# Altium PCB Evaluation Board.PcbDoc (part 16 of 22)
Units mm, origin at the board's own origin, x right, y up, seen from the top; angles counter-clockwise.
Board outline 200 x 200 mm, 4 copper layers (Top Layer, GND, Power, Bottom Layer), stack 1.56 mm thick; 639 components, 758 nets, 3043 pads, 1306 vias.
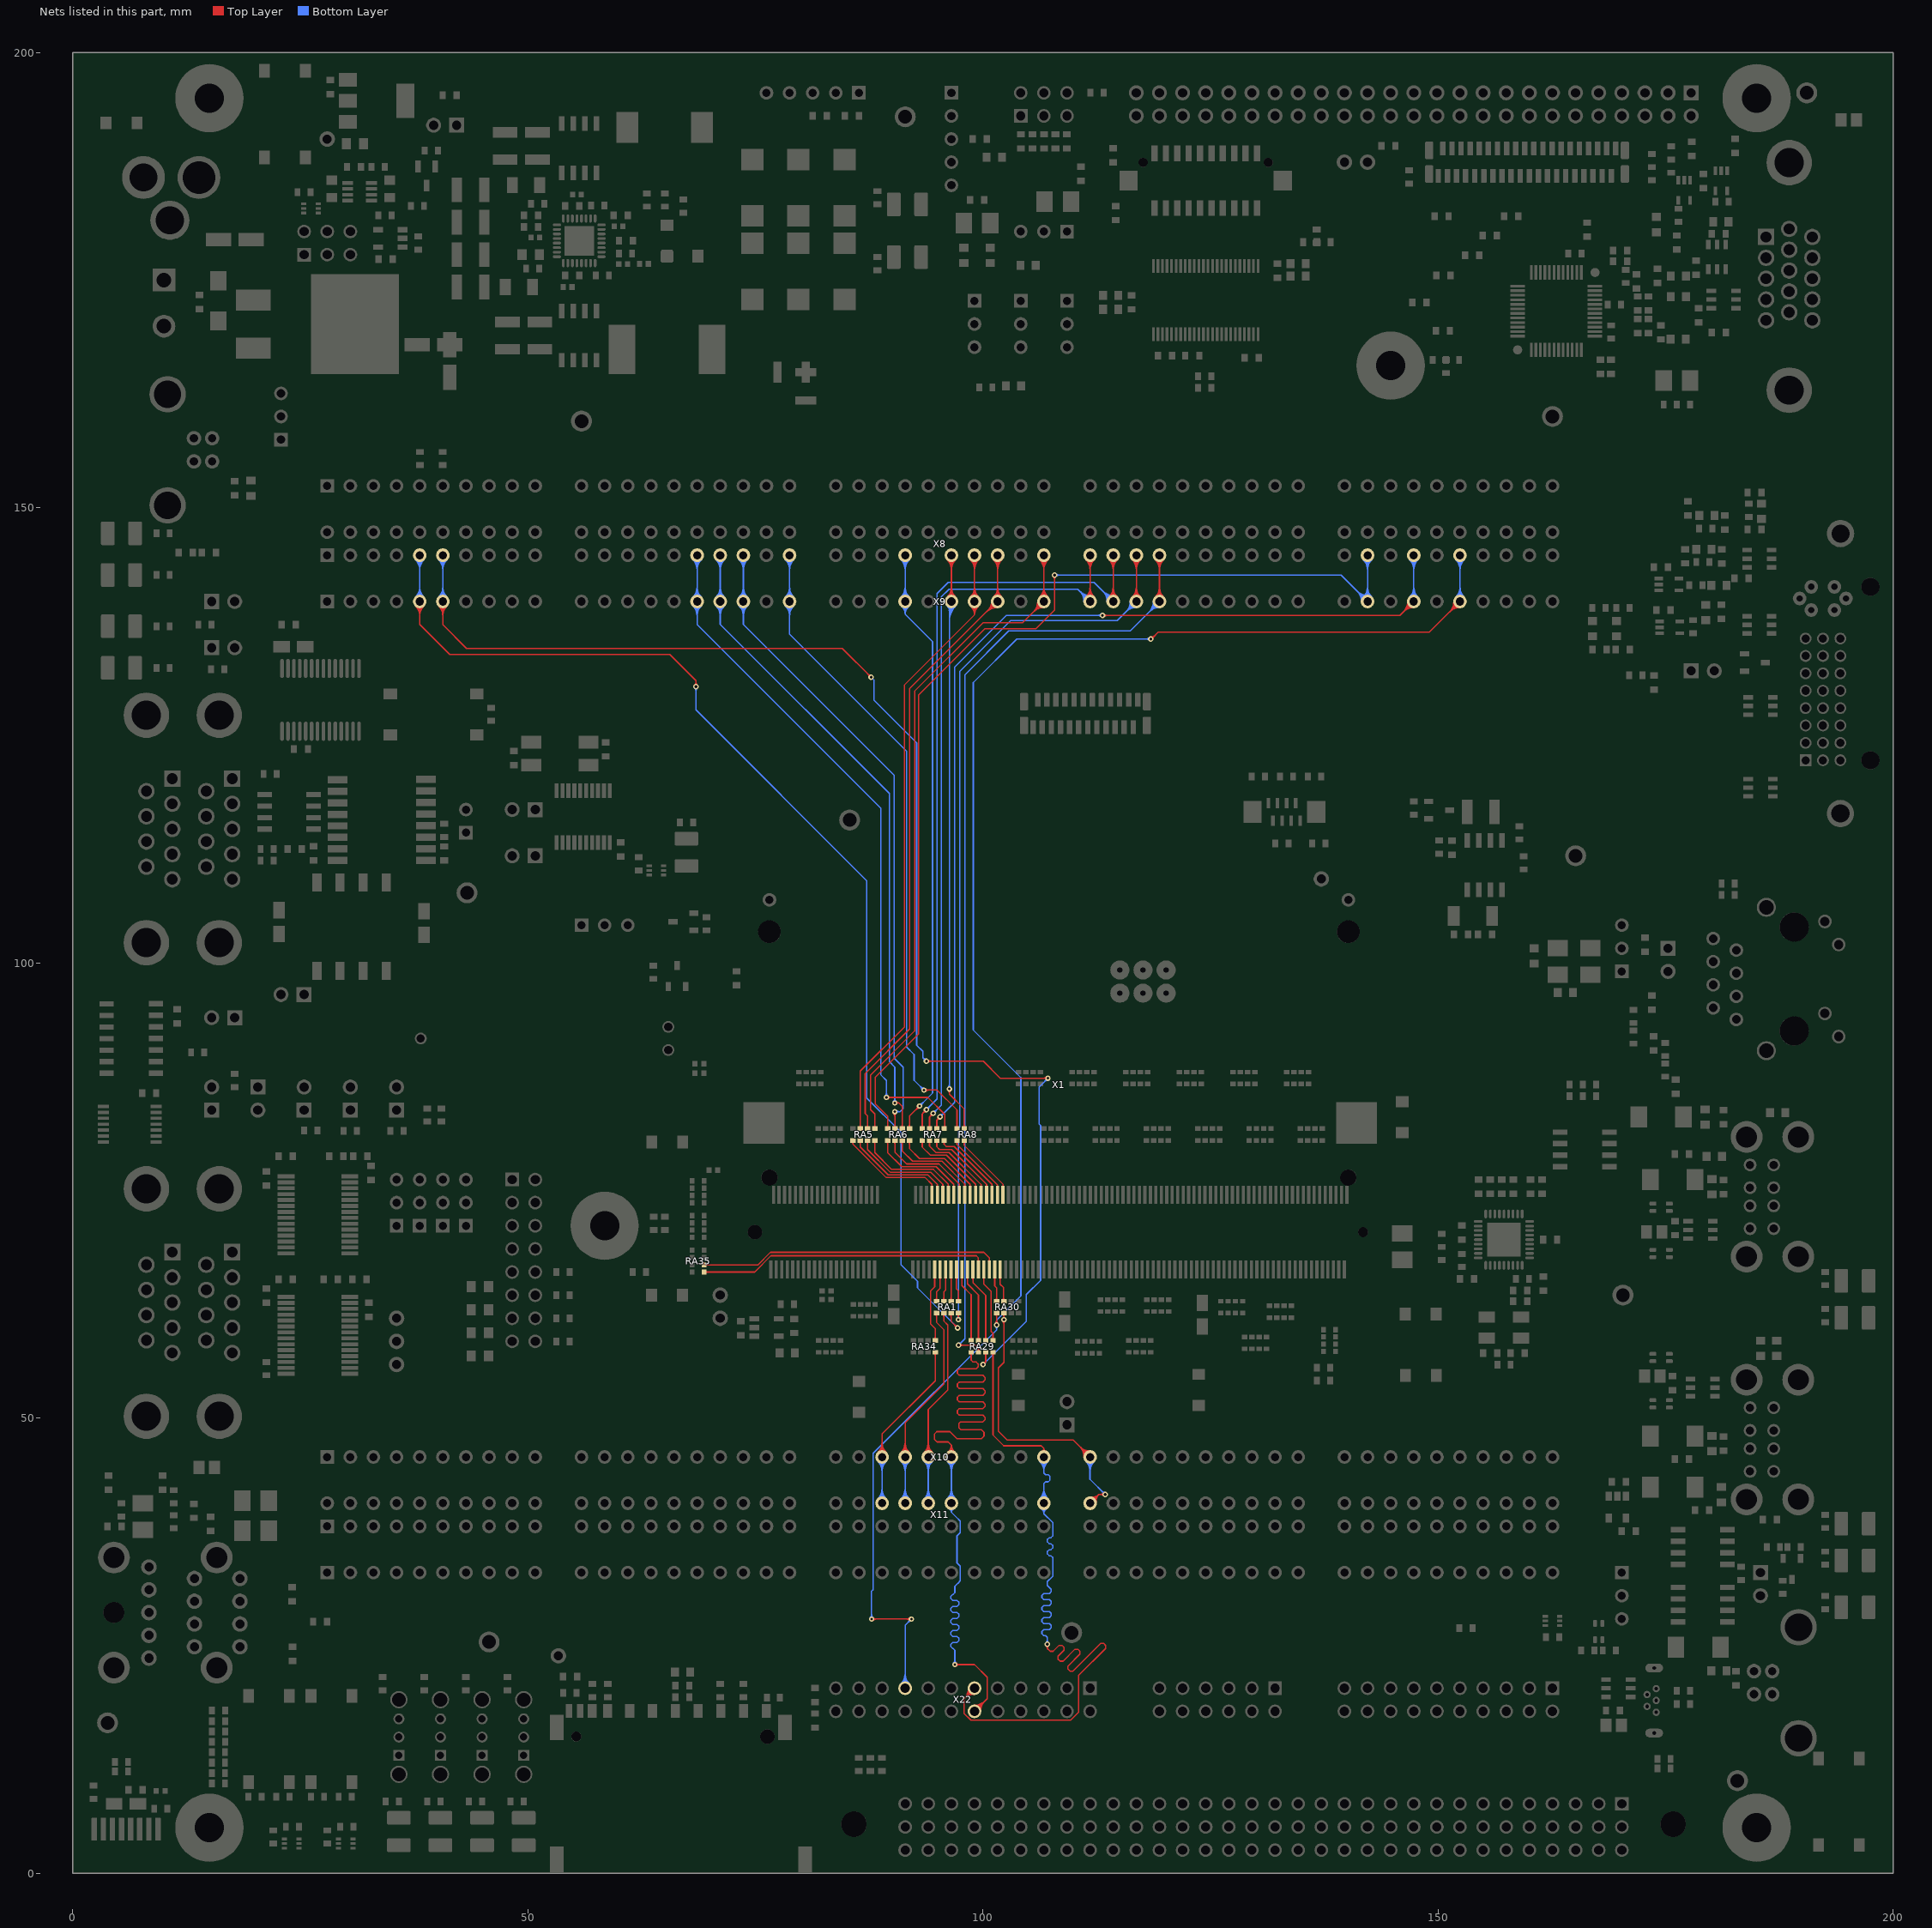
[diagram p18: the nets of this part, all layers, seen from the top]

## Via types
v1: diameter 0.6, hole 0.3, Top Layer to Bottom Layer, 1222 vias
v2: diameter 0.6, hole 0.3, Top Layer to Bottom Layer, tented both sides, 84 vias

## Nets (pads, with @x,y where several pads share a name; then routed paths per layer and width w, separated by ;. In a path a pad name is that pad's centre, name@x,y a point inside that pad or via, vN(x,y) a via of type N, cw(c..) or ccw(c..) an arc to the next point about the centre after c; other vN are vias at no path point) (continued)
SODIMM_48_S: RA5.1 X1.48 | length 13.1
  Top Layer w0.15: RA5.1@85.577,80.368 cw(c85.29,80.075) 85.7,80.075 cw(c86.109,80.075) RA5.1@85.822,80.368 ; RA5.1@85.7,80.493 85.7,80.075 89.364,76.411 93.642,76.411 94.382,75.671 X1.48@94.382,74.516 ; X1.48@94.311,75.412 ccw(c94.141,75.583) 94.382,75.583 ccw(c94.623,75.583) X1.48@94.453,75.412
SODIMM_49: RA34.5 X10.23 X11.B23 | length 37.6
  Top Layer w0.15: X10.23@88.423,46.197 ccw(c87.27,47.35) 88.9,47.35 ccw(c90.53,47.35) X10.23@89.377,46.197 ; X10.23@88.529,46.091 ccw(c87.633,46.987) 88.9,46.987 ccw(c90.167,46.987) X10.23@89.271,46.091 ; X10.23@88.635,45.985 ccw(c87.995,46.625) 88.9,46.625 ccw(c89.805,46.625) X10.23@89.165,45.985 ; X10.23@88.9,45.72 88.9,48.26 94.742,54.102 RA34.5@94.742,57.222 ; RA34.5@94.618,57.098 cw(c94.32,56.799) 94.742,56.799 cw(c95.164,56.799) RA34.5@94.866,57.098
  Bottom Layer w0.15: X11.B23@88.423,41.117 ccw(c87.27,42.27) 88.9,42.27 ccw(c90.53,42.27) X11.B23@89.377,41.117 ; X10.23@88.423,45.243 cw(c87.27,44.09) 88.9,44.09 cw(c90.53,44.09) X10.23@89.377,45.243 ; X11.B23@88.529,41.011 ccw(c87.633,41.907) 88.9,41.907 ccw(c90.167,41.907) X11.B23@89.271,41.011 ; X10.23@88.529,45.349 cw(c87.633,44.453) 88.9,44.453 cw(c90.167,44.453) X10.23@89.271,45.349 ; X11.B23@88.635,40.905 ccw(c87.995,41.545) 88.9,41.545 ccw(c89.805,41.545) X11.B23@89.165,40.905 ; X10.23@88.635,45.455 cw(c87.995,44.815) 88.9,44.815 cw(c89.805,44.815) X10.23@89.165,45.455 ; X11.B23@88.9,40.64 X10.23@88.9,45.72
SODIMM_49_S: RA34.1 X1.49 | length 9.2
  Top Layer w0.15: X1.49@94.611,65.421 cw(c94.441,65.25) 94.682,65.25 cw(c94.923,65.25) X1.49@94.753,65.421 ; RA34.1@94.618,58.645 ccw(c94.32,58.944) 94.742,58.944 ccw(c95.164,58.944) RA34.1@94.866,58.645 ; X1.49@94.682,66.316 94.682,64.405 94.234,63.957 94.234,60.325 94.742,59.817 RA34.1@94.742,58.522
SODIMM_50: RA5.6 X8.A27 X9.27 | length 86
  Top Layer w0.15: RA5.6@86.376,81.916 ccw(c86.046,82.246) 86.512,82.246 ; RA5.6@86.5,81.666 RA5.6@86.5,81.793 86.512,81.805 86.512,88.112 91.375,92.975 91.375,130.55 99.06,138.235 X8.A27@99.06,144.78 ; 86.512,82.184 ccw(c86.891,82.184) RA5.6@86.623,81.916 ; X9.27@98.583,140.177 ccw(c97.43,141.33) 99.06,141.33 ccw(c100.69,141.33) X9.27@99.537,140.177 ; X8.A27@98.583,144.303 cw(c97.43,143.15) 99.06,143.15 cw(c100.69,143.15) X8.A27@99.537,144.303 ; X9.27@98.621,139.187 cw(c97.808,138.235) 99.06,138.235 cw(c100.312,138.235) X9.27@99.499,139.187 ; X9.27@98.689,140.071 ccw(c97.793,140.967) 99.06,140.967 ccw(c100.327,140.967) X9.27@99.431,140.071 ; X8.A27@98.689,144.409 cw(c97.793,143.513) 99.06,143.513 cw(c100.327,143.513) X8.A27@99.431,144.409 ; X9.27@98.719,139.301 cw(c98.086,138.561) 99.06,138.561 cw(c100.034,138.561) X9.27@99.401,139.301 ; X9.27@98.795,139.965 ccw(c98.155,140.605) 99.06,140.605 ccw(c99.965,140.605) X9.27@99.325,139.965 ; X8.A27@98.795,144.515 cw(c98.155,143.875) 99.06,143.875 cw(c99.965,143.875) X8.A27@99.325,144.515 ; X9.27@98.816,139.415 cw(c98.364,138.886) 99.06,138.886 cw(c99.756,138.886) X9.27@99.304,139.415
SODIMM_50_S: RA5.2 X1.50 | length 13.1
  Top Layer w0.15: RA5.2@86.376,80.369 cw(c86.077,80.07) 86.5,80.07 cw(c86.922,80.07) RA5.2@86.623,80.369 ; RA5.2@86.5,80.493 86.5,79.775 89.564,76.711 93.926,76.711 94.982,75.655 X1.50@94.982,74.516 ; X1.50@94.911,75.412 ccw(c94.741,75.583) 94.982,75.583 ccw(c95.223,75.583) X1.50@95.053,75.412
SODIMM_51: RA1.8 X10.24 X11.B24 | length 41.6
  Top Layer w0.15: X10.24@90.963,46.197 ccw(c89.81,47.35) 91.44,47.35 ccw(c93.07,47.35) X10.24@91.917,46.197 ; X10.24@91.069,46.091 ccw(c90.173,46.987) 91.44,46.987 ccw(c92.707,46.987) X10.24@91.811,46.091 ; X10.24@91.175,45.985 ccw(c90.535,46.625) 91.44,46.625 ccw(c92.345,46.625) X10.24@91.705,45.985 ; X10.24@91.44,45.72 91.44,49.479 95.682,53.721 95.682,59.715 94.882,60.515 RA1.8@94.882,61.54 ; RA1.8@94.758,61.416 cw(c94.46,61.117) 94.882,61.117 cw(c95.304,61.117) RA1.8@95.006,61.416
  Bottom Layer w0.15: X11.B24@90.963,41.117 ccw(c89.81,42.27) 91.44,42.27 ccw(c93.07,42.27) X11.B24@91.917,41.117 ; X10.24@90.963,45.243 cw(c89.81,44.09) 91.44,44.09 cw(c93.07,44.09) X10.24@91.917,45.243 ; X11.B24@91.069,41.011 ccw(c90.173,41.907) 91.44,41.907 ccw(c92.707,41.907) X11.B24@91.811,41.011 ; X10.24@91.069,45.349 cw(c90.173,44.453) 91.44,44.453 cw(c92.707,44.453) X10.24@91.811,45.349 ; X11.B24@91.175,40.905 ccw(c90.535,41.545) 91.44,41.545 ccw(c92.345,41.545) X11.B24@91.705,40.905 ; X10.24@91.175,45.455 cw(c90.535,44.815) 91.44,44.815 cw(c92.345,44.815) X10.24@91.705,45.455 ; X11.B24@91.44,40.64 X10.24@91.44,45.72
SODIMM_51_S: RA1.4 X1.51 | length 4.7
  Top Layer w0.15: RA1.4@94.758,62.963 ccw(c94.46,63.262) 94.882,63.262 ccw(c95.304,63.262) RA1.4@95.006,62.963 ; RA1.4@94.882,62.84 94.882,63.843 95.282,64.243 X1.51@95.282,66.316 ; X1.51@95.211,65.421 cw(c95.04,65.25) 95.282,65.25 cw(c95.523,65.25) X1.51@95.353,65.421
SODIMM_52: RA5.7 X8.A28 X9.28 | length 87.2
  Top Layer w0.15: RA5.7@87.176,81.916 ccw(c86.877,82.215) 87.3,82.215 ccw(c87.722,82.215) RA5.7@87.423,81.916 ; RA5.7@87.3,81.793 87.3,83.185 87.046,83.439 87.046,87.846 91.925,92.725 91.925,130.125 101.5,139.7 X9.28@101.6,139.7 X8.A28@101.6,144.78 ; 100.277,138.477 cw(c101.6,137.154) X9.28@101.6,139.025 ; 100.518,138.718 ccw(c99.537,139.7) X9.28@100.925,139.7 ; 100.533,138.733 cw(c101.6,137.666) X9.28@101.6,139.175 ; 100.774,138.974 ccw(c100.049,139.7) X9.28@101.075,139.7 ; 100.789,138.989 cw(c101.6,138.178) X9.28@101.6,139.325 ; X9.28@101.123,140.177 ccw(c99.97,141.33) 101.6,141.33 ccw(c103.23,141.33) X9.28@102.077,140.177 ; X8.A28@101.123,144.303 cw(c99.97,143.15) 101.6,143.15 cw(c103.23,143.15) X8.A28@102.077,144.303 ; X9.28@101.229,140.071 ccw(c100.333,140.967) 101.6,140.967 ccw(c102.867,140.967) X9.28@101.971,140.071 ; X8.A28@101.229,144.409 cw(c100.333,143.513) 101.6,143.513 cw(c102.867,143.513) X8.A28@101.971,144.409 ; X9.28@101.335,139.965 ccw(c100.695,140.605) 101.6,140.605 ccw(c102.505,140.605) X9.28@101.865,139.965 ; X8.A28@101.335,144.515 cw(c100.695,143.875) 101.6,143.875 cw(c102.505,143.875) X8.A28@101.865,144.515
SODIMM_52_S: RA5.3 X1.52 | length 13.1
  Top Layer w0.15: RA5.3@87.176,80.369 cw(c86.877,80.07) 87.3,80.07 cw(c87.722,80.07) RA5.3@87.423,80.369 ; RA5.3@87.3,80.493 87.3,79.5 89.789,77.011 94.235,77.011 95.58,75.667 95.58,74.518 X1.52@95.582,74.516 ; X1.52@95.511,75.412 ccw(c95.345,75.579) 95.58,75.579 ; 95.58,75.587 ccw(c95.828,75.587) X1.52@95.653,75.412
SODIMM_53: RA1.7 X10.25 X11.B25 | length 40.6
  Top Layer w0.15: X10.25@93.503,46.197 ccw(c92.35,47.35) 93.98,47.35 ccw(c95.61,47.35) X10.25@94.457,46.197 ; X10.25@93.609,46.091 ccw(c92.713,46.987) 93.98,46.987 ccw(c95.247,46.987) X10.25@94.351,46.091 ; X10.25@93.715,45.985 ccw(c93.075,46.625) 93.98,46.625 ccw(c94.885,46.625) X10.25@94.245,45.985 ; X10.25@93.98,45.72 93.98,50.927 96.125,53.072 96.125,60.212 95.682,60.655 RA1.7@95.682,61.54 ; RA1.7@95.558,61.416 cw(c95.26,61.117) 95.682,61.117 cw(c96.104,61.117) RA1.7@95.806,61.416
  Bottom Layer w0.15: X11.B25@93.503,41.117 ccw(c92.35,42.27) 93.98,42.27 ccw(c95.61,42.27) X11.B25@94.457,41.117 ; X10.25@93.503,45.243 cw(c92.35,44.09) 93.98,44.09 cw(c95.61,44.09) X10.25@94.457,45.243 ; X11.B25@93.609,41.011 ccw(c92.713,41.907) 93.98,41.907 ccw(c95.247,41.907) X11.B25@94.351,41.011 ; X10.25@93.609,45.349 cw(c92.713,44.453) 93.98,44.453 cw(c95.247,44.453) X10.25@94.351,45.349 ; X11.B25@93.715,40.905 ccw(c93.075,41.545) 93.98,41.545 ccw(c94.885,41.545) X11.B25@94.245,40.905 ; X10.25@93.715,45.455 cw(c93.075,44.815) 93.98,44.815 cw(c94.885,44.815) X10.25@94.245,45.455 ; X11.B25@93.98,40.64 X10.25@93.98,45.72
SODIMM_53_S: RA1.3 X1.53 | length 4.6
  Top Layer w0.15: RA1.3@95.558,62.963 ccw(c95.26,63.262) 95.682,63.262 ccw(c96.104,63.262) RA1.3@95.806,62.963 ; RA1.3@95.682,62.84 95.682,63.856 95.882,64.056 X1.53@95.882,66.316 ; X1.53@95.811,65.421 cw(c95.64,65.25) 95.882,65.25 cw(c96.123,65.25) X1.53@95.953,65.421
SODIMM_54: RA5.8 X8.A30 X9.30 | length 92.2
  Top Layer w0.15: RA5.8@87.976,81.916 ccw(c87.677,82.215) 88.1,82.215 ccw(c88.522,82.215) RA5.8@88.223,81.916 ; RA5.8@88.1,81.793 88.1,83.404 87.625,83.879 87.625,87.675 92.475,92.525 92.475,129.85 99.975,137.35 104.33,137.35 X9.30@106.68,139.7 X8.A30@106.68,144.78 ; X9.30@106.005,139.7 cw(c104.375,139.7) 105.528,138.548 cw(c106.68,137.395) X9.30@106.68,139.025 ; X9.30@106.155,139.7 cw(c104.888,139.7) 105.784,138.804 cw(c106.68,137.908) X9.30@106.68,139.175 ; X9.30@106.203,140.177 ccw(c105.05,141.33) 106.68,141.33 ccw(c108.31,141.33) X9.30@107.157,140.177 ; X8.A30@106.203,144.303 cw(c105.05,143.15) 106.68,143.15 cw(c108.31,143.15) X8.A30@107.157,144.303 ; X9.30@106.305,139.7 cw(c105.4,139.7) 106.04,139.06 cw(c106.68,138.42) X9.30@106.68,139.325 ; X9.30@106.309,140.071 ccw(c105.413,140.967) 106.68,140.967 ccw(c107.947,140.967) X9.30@107.051,140.071 ; X8.A30@106.309,144.409 cw(c105.413,143.513) 106.68,143.513 cw(c107.947,143.513) X8.A30@107.051,144.409 ; X9.30@106.415,139.965 ccw(c105.775,140.605) 106.68,140.605 ccw(c107.585,140.605) X9.30@106.945,139.965 ; X8.A30@106.415,144.515 cw(c105.775,143.875) 106.68,143.875 cw(c107.585,143.875) X8.A30@106.945,144.515
SODIMM_54_S: RA5.4 X1.54 | length 13.1
  Top Layer w0.15: RA5.4@87.976,80.369 cw(c87.677,80.07) 88.1,80.07 cw(c88.522,80.07) RA5.4@88.223,80.369 ; RA5.4@88.1,80.493 88.1,79.159 89.948,77.311 94.545,77.311 96.182,75.674 X1.54@96.182,74.516 ; X1.54@96.111,75.412 ccw(c95.941,75.583) 96.182,75.583 ccw(c96.423,75.583) X1.54@96.253,75.412
SODIMM_55: RA1.6 X8.A5 X9.5 | length 147.5
  Top Layer w0.15: X9.5@37.623,139.223 cw(c36.47,138.07) 38.1,138.07 cw(c39.73,138.07) X9.5@38.577,139.223 ; X9.5@37.729,139.329 cw(c36.833,138.433) 38.1,138.433 cw(c39.367,138.433) X9.5@38.471,139.329 ; X9.5@37.835,139.435 cw(c37.195,138.795) 38.1,138.795 cw(c39.005,138.795) X9.5@38.365,139.435 ; X9.5@38.1,139.7 38.1,137.175 41.4,133.875 65.575,133.875 68.45,131 v1(68.45,130.35) ; v1@68.291,130.509 ccw(c67.907,130.893) 68.45,130.893 ccw(c68.993,130.893) v1@68.609,130.509 ; RA1.6@96.358,61.416 cw(c96.06,61.117) 96.482,61.117 cw(c96.904,61.117) RA1.6@96.606,61.416 ; RA1.6@96.482,61.54 96.482,60.618 v1(97.2,59.9) ; v1@96.975,59.9 ccw(c96.432,59.9) 96.816,60.284 ccw(c97.2,60.668) v1@97.2,60.125
  Bottom Layer w0.15: X9.5@37.623,140.177 ccw(c36.47,141.33) 38.1,141.33 ccw(c39.73,141.33) X9.5@38.577,140.177 ; X8.A5@37.623,144.303 cw(c36.47,143.15) 38.1,143.15 cw(c39.73,143.15) X8.A5@38.577,144.303 ; X9.5@37.729,140.071 ccw(c36.833,140.967) 38.1,140.967 ccw(c39.367,140.967) X9.5@38.471,140.071 ; X8.A5@37.729,144.409 cw(c36.833,143.513) 38.1,143.513 cw(c39.367,143.513) X8.A5@38.471,144.409 ; X9.5@37.835,139.965 ccw(c37.195,140.605) 38.1,140.605 ccw(c39.005,140.605) X9.5@38.365,139.965 ; X8.A5@37.835,144.515 cw(c37.195,143.875) 38.1,143.875 cw(c39.005,143.875) X8.A5@38.365,144.515 ; X9.5@38.1,139.7 X8.A5@38.1,144.78 ; v1@68.291,130.191 cw(c67.907,129.807) 68.45,129.807 cw(c68.993,129.807) v1@68.609,130.191 ; v1(68.45,130.35) 68.45,127.8 87.225,109.025 87.225,85.15 90.975,81.4 90.975,66.842 92.8,65.017 92.8,64.3 v1(97.2,59.9) ; v1@96.975,59.9 ccw(c96.432,59.9) 96.816,60.284 ccw(c97.2,60.668) v1@97.2,60.125
SODIMM_55_S: RA1.2 X1.55 | length 4.5
  Top Layer w0.15: RA1.2@96.358,62.963 ccw(c96.06,63.262) 96.482,63.262 ccw(c96.904,63.262) RA1.2@96.606,62.963 ; X1.55@96.411,65.421 cw(c96.241,65.25) 96.482,65.25 cw(c96.723,65.25) X1.55@96.553,65.421 ; RA1.2@96.482,62.84 X1.55@96.482,66.316
SODIMM_56: RA6.5 X8.A42 X9.42 | length 134.3
  Top Layer w0.14: v1@107.687,142.437 cw(c107.295,142.045) 107.85,142.045 cw(c108.405,142.045) v1@108.013,142.437 ; 107.85,138.75 v1(107.85,142.6)
  Top Layer w0.15: RA6.5@89.386,81.916 ccw(c89.087,82.215) 89.51,82.215 ccw(c89.932,82.215) RA6.5@89.633,81.916 ; RA6.5@89.51,81.793 89.51,83.16 88.15,84.519 88.15,87.425 92.925,92.2 92.925,129.425 100.225,136.725 105.825,136.725 107.85,138.75
  Bottom Layer w0.14: v1(107.85,142.6) 139.34,142.6 X9.42@142.24,139.7 X8.A42@142.24,144.78 ; v1@108.013,142.437 cw(c108.405,142.045) 108.405,142.6 cw(c108.405,143.155) v1@108.013,142.763 ; X9.42@141.56,139.7 ccw(c139.918,139.7) 141.079,140.861 ccw(c142.24,142.022) X9.42@142.24,140.38 ; X9.42@141.7,139.7 ccw(c140.396,139.7) 141.318,140.622 ccw(c142.24,141.544) X9.42@142.24,140.24 ; X9.42@141.759,140.181 ccw(c140.598,141.342) 142.24,141.342 ccw(c143.882,141.342) X9.42@142.721,140.181 ; X8.A42@141.759,144.299 cw(c140.598,143.138) 142.24,143.138 cw(c143.882,143.138) X8.A42@142.721,144.299 ; X9.42@141.84,139.7 ccw(c140.874,139.7) 141.557,140.383 ccw(c142.24,141.066) X9.42@142.24,140.1 ; X9.42@141.858,140.082 ccw(c140.936,141.004) 142.24,141.004 ccw(c143.544,141.004) X9.42@142.622,140.082 ; X8.A42@141.858,144.398 cw(c140.936,143.476) 142.24,143.476 cw(c143.544,143.476) X8.A42@142.622,144.398 ; X9.42@141.957,139.983 ccw(c141.274,140.666) 142.24,140.666 ccw(c143.206,140.666) X9.42@142.523,139.983 ; X8.A42@141.957,144.497 cw(c141.274,143.814) 142.24,143.814 cw(c143.206,143.814) X8.A42@142.523,144.497
SODIMM_56_S: RA6.1 X1.56 | length 12.2
  Top Layer w0.15: RA6.1@89.386,80.369 cw(c89.087,80.07) 89.51,80.07 cw(c89.932,80.07) RA6.1@89.633,80.369 ; RA6.1@89.51,80.493 89.51,79.172 91.07,77.611 94.855,77.611 96.782,75.684 X1.56@96.782,74.516 ; X1.56@96.711,75.412 ccw(c96.541,75.583) 96.782,75.583 ccw(c97.023,75.583) X1.56@96.853,75.412
SODIMM_57: RA1.5 X8.A33 X9.33 | length 119.1
  Top Layer w0.15: RA1.5@97.158,61.416 cw(c96.86,61.117) 97.282,61.117 cw(c97.704,61.117) RA1.5@97.406,61.416 ; v1(97.282,60.808) RA1.5@97.282,61.54 ; X9.33@116.363,140.177 ccw(c115.21,141.33) 116.84,141.33 ccw(c118.47,141.33) X9.33@117.317,140.177 ; X8.A33@116.363,144.303 cw(c115.21,143.15) 116.84,143.15 cw(c118.47,143.15) X8.A33@117.317,144.303 ; X9.33@116.469,140.071 ccw(c115.573,140.967) 116.84,140.967 ccw(c118.107,140.967) X9.33@117.211,140.071 ; X8.A33@116.469,144.409 cw(c115.573,143.513) 116.84,143.513 cw(c118.107,143.513) X8.A33@117.211,144.409 ; X9.33@116.575,139.965 ccw(c115.935,140.605) 116.84,140.605 ccw(c117.745,140.605) X9.33@117.105,139.965 ; X8.A33@116.575,144.515 cw(c115.935,143.875) 116.84,143.875 cw(c117.745,143.875) X8.A33@117.105,144.515 ; X9.33@116.84,139.7 X8.A33@116.84,144.78
  Bottom Layer w0.15: v1@97.123,60.967 ccw(c96.739,61.351) 97.282,61.351 ccw(c97.825,61.351) v1@97.441,60.967 ; v1(97.282,60.808) 97.282,81.832 97.45,82 97.45,132.025 103.025,137.6 114.74,137.6 X9.33@116.84,139.7 ; X9.33@116.165,139.7 cw(c114.535,139.7) 115.688,138.548 cw(c116.84,137.395) X9.33@116.84,139.025 ; X9.33@116.315,139.7 cw(c115.048,139.7) 115.944,138.804 cw(c116.84,137.908) X9.33@116.84,139.175 ; X9.33@116.465,139.7 cw(c115.56,139.7) 116.2,139.06 cw(c116.84,138.42) X9.33@116.84,139.325
SODIMM_57_S: RA1.1 X1.57 | length 4.6
  Top Layer w0.15: X1.57@97.011,65.421 cw(c96.841,65.25) 97.082,65.25 cw(c97.323,65.25) X1.57@97.153,65.421 ; X1.57@97.082,66.316 97.082,64.183 97.282,63.983 RA1.1@97.282,62.84 ; RA1.1@97.158,62.963 ccw(c96.86,63.262) 97.282,63.262 ccw(c97.704,63.262) RA1.1@97.406,62.963
SODIMM_58: RA6.6 X8.A18 X9.18 | length 91.3
  Top Layer w0.15: v1@90.141,83.491 cw(c89.734,83.084) 90.31,83.084 ; RA6.6@90.186,81.916 ccw(c89.887,82.215) 90.31,82.215 ccw(c90.732,82.215) RA6.6@90.433,81.916 ; v1(90.3,83.65) 90.31,83.64 RA6.6@90.31,81.793 ; 90.31,83.13 cw(c90.82,83.13) v1@90.459,83.491
  Bottom Layer w0.15: X9.18@73.183,139.223 cw(c72.03,138.07) 73.66,138.07 cw(c75.29,138.07) X9.18@74.137,139.223 ; X9.18@73.183,140.177 ccw(c72.03,141.33) 73.66,141.33 ccw(c75.29,141.33) X9.18@74.137,140.177 ; X8.A18@73.183,144.303 cw(c72.03,143.15) 73.66,143.15 cw(c75.29,143.15) X8.A18@74.137,144.303 ; X9.18@73.289,139.329 cw(c72.393,138.433) 73.66,138.433 cw(c74.927,138.433) X9.18@74.031,139.329 ; X9.18@73.289,140.071 ccw(c72.393,140.967) 73.66,140.967 ccw(c74.927,140.967) X9.18@74.031,140.071 ; X8.A18@73.289,144.409 cw(c72.393,143.513) 73.66,143.513 cw(c74.927,143.513) X8.A18@74.031,144.409 ; X9.18@73.395,139.435 cw(c72.755,138.795) 73.66,138.795 cw(c74.565,138.795) X9.18@73.925,139.435 ; X9.18@73.395,139.965 ccw(c72.755,140.605) 73.66,140.605 ccw(c74.565,140.605) X9.18@73.925,139.965 ; X8.A18@73.395,144.515 cw(c72.755,143.875) 73.66,143.875 cw(c74.565,143.875) X8.A18@73.925,144.515 ; X8.A18@73.66,144.78 X9.18@73.66,139.7 73.66,137.185 90.225,120.62 90.225,89.525 91.214,88.536 91.214,84.001 90.864,83.65 v1(90.3,83.65) ; v1@90.459,83.491 cw(c90.843,83.107) 90.843,83.65 cw(c90.843,84.193) v1@90.459,83.809
SODIMM_58_S: RA6.2 X1.58 | length 12
  Top Layer w0.15: RA6.2@90.186,80.369 cw(c89.887,80.07) 90.31,80.07 cw(c90.732,80.07) RA6.2@90.433,80.369 ; RA6.2@90.31,80.493 90.31,79.21 91.608,77.911 95.164,77.911 97.382,75.694 X1.58@97.382,74.516 ; X1.58@97.311,75.412 ccw(c97.141,75.583) 97.382,75.583 ccw(c97.623,75.583) X1.58@97.453,75.412
SODIMM_59: RA29.8 X10.26 X11.B26 X22.12 | length 109
  Top Layer w0.15: X10.26@96.133,46.273 ccw(c95.615,47.015) 96.52,47.015 ; X10.26@96.219,46.15 ccw(c95.816,46.727) 96.52,46.727 ccw(c97.224,46.727) X10.26@96.821,46.15 ; X10.26@96.52,45.72 96.52,47.015 ; v1(96.901,22.911) 99.06,22.911 100.457,21.514 100.457,19.177 X22.12@99.06,17.78 ; X10.26@96.907,46.273 cw(c97.425,47.015) 96.52,47.015 ; v1@97.06,22.752 cw(c97.444,22.368) 97.444,22.911 cw(c97.444,23.454) v1@97.06,23.07 ; RA29.8@98.568,57.098 cw(c98.27,56.799) 98.692,56.799 cw(c99.114,56.799) RA29.8@98.816,57.098 ; RA29.8@98.692,57.222 98.692,56.369 98.911,56.15 99.256,56.15 99.475,55.931 99.475,55.639 99.256,55.42 97.397,55.42 97.178,55.201 97.178,54.909 97.397,54.69 99.987,54.69 100.206,54.471 100.206,54.179 99.987,53.96 97.397,53.96 97.178,53.741 97.178,53.449 97.397,53.23 99.987,53.23 100.206,53.011 100.206,52.719 99.987,52.5 97.397,52.5 97.178,52.281 97.178,51.989 97.397,51.77 99.987,51.77 100.206,51.551 100.206,51.259 99.987,51.04 97.397,51.04 97.178,50.821 97.178,50.529 97.397,50.31 99.987,50.31 100.206,50.091 100.206,49.799 99.987,49.58 97.535,49.58 97.358,49.403 97.358,48.923 97.564,48.717 99.822,48.717 100.101,48.438 100.101,48.006 99.822,47.727 97.135,47.727 96.36,48.501 94.91,48.501 94.64,48.232 94.64,47.676 94.945,47.371 96.164,47.371 96.52,47.015 ; X22.12@99.06,18.155 ccw(c99.06,19.06) 99.7,18.42 ccw(c100.34,17.78) X22.12@99.435,17.78 ; X22.12@99.06,18.305 ccw(c99.06,19.572) 99.956,18.676 ccw(c100.852,17.78) X22.12@99.585,17.78 ; X22.12@99.06,18.455 ccw(c99.06,20.085) 100.212,18.932 ccw(c101.365,17.78) X22.12@99.735,17.78
  Bottom Layer w0.14: 97.13,34.112 97.49,33.752 97.49,32.11 97.231,31.852 ; 97.13,37.033 97.49,37.394 97.49,38.679 97.282,38.887
  Bottom Layer w0.15: X11.B26@96.043,41.117 ccw(c94.89,42.27) 96.52,42.27 ccw(c98.15,42.27) X11.B26@96.997,41.117 ; X10.26@96.043,45.243 cw(c94.89,44.09) 96.52,44.09 cw(c98.15,44.09) X10.26@96.997,45.243 ; X11.B26@96.149,41.011 ccw(c95.253,41.907) 96.52,41.907 ccw(c97.787,41.907) X11.B26@96.891,41.011 ; X10.26@96.149,45.349 cw(c95.253,44.453) 96.52,44.453 cw(c97.787,44.453) X10.26@96.891,45.349 ; X11.B26@96.255,40.905 ccw(c95.615,41.545) 96.52,41.545 ccw(c97.425,41.545) X11.B26@96.785,40.905 ; X10.26@96.255,45.455 cw(c95.615,44.815) 96.52,44.815 cw(c97.425,44.815) X10.26@96.785,45.455 ; X11.B26@96.273,40.012 cw(c96.131,39.649) 96.52,39.649 ; X11.B26@96.328,40.151 cw(c96.217,39.87) 96.52,39.87 cw(c96.823,39.87) X11.B26@96.712,40.151 ; X10.26@96.52,45.72 X11.B26@96.52,40.64 96.52,39.649 ; v1@96.742,23.07 ccw(c96.358,23.454) 96.901,23.454 ccw(c97.444,23.454) v1@97.06,23.07 ; X11.B26@96.767,40.012 ccw(c96.909,39.649) 96.52,39.649 ; v1(96.901,22.911) 96.901,24.491 96.703,24.689 96.663,24.689 96.465,24.887 96.465,25.151 96.663,25.349 97.139,25.349 97.337,25.547 97.337,25.811 97.139,26.009 96.663,26.009 96.465,26.207 96.465,26.471 96.663,26.669 97.139,26.669 97.337,26.867 97.337,27.131 97.139,27.329 96.663,27.329 96.465,27.527 96.465,27.791 96.663,27.989 97.139,27.989 97.337,28.187 97.337,28.451 97.139,28.649 96.663,28.649 96.465,28.847 96.465,29.111 96.663,29.309 97.139,29.309 97.337,29.507 97.337,29.771 97.139,29.969 96.663,29.969 96.465,30.167 96.465,30.431 96.663,30.629 96.703,30.629 96.901,30.827 96.901,31.521 97.231,31.852 ; 97.13,34.112 97.13,37.033 ; 97.282,38.887 96.52,39.649
SODIMM_59_S: RA29.4 X1.59 | length 9.3
  Top Layer w0.15: X1.59@97.611,65.421 cw(c97.441,65.25) 97.682,65.25 cw(c97.923,65.25) X1.59@97.753,65.421 ; X1.59@97.682,66.316 97.682,64.548 98.692,63.538 RA29.4@98.692,58.522 ; RA29.4@98.568,58.645 ccw(c98.27,58.944) 98.692,58.944 ccw(c99.114,58.944) RA29.4@98.816,58.645